# Altium PCB HRADC_Board_v2_0.PcbDoc (part 4 of 4)
Units mm, origin at the board's own origin, x right, y up, seen from the top; angles counter-clockwise.
Board outline 160 x 100 mm, 4 copper layers (Top Layer, Power Plane, Ground Planes, Bottom Layer); 306 components, 238 nets, 1267 pads, 372 vias.
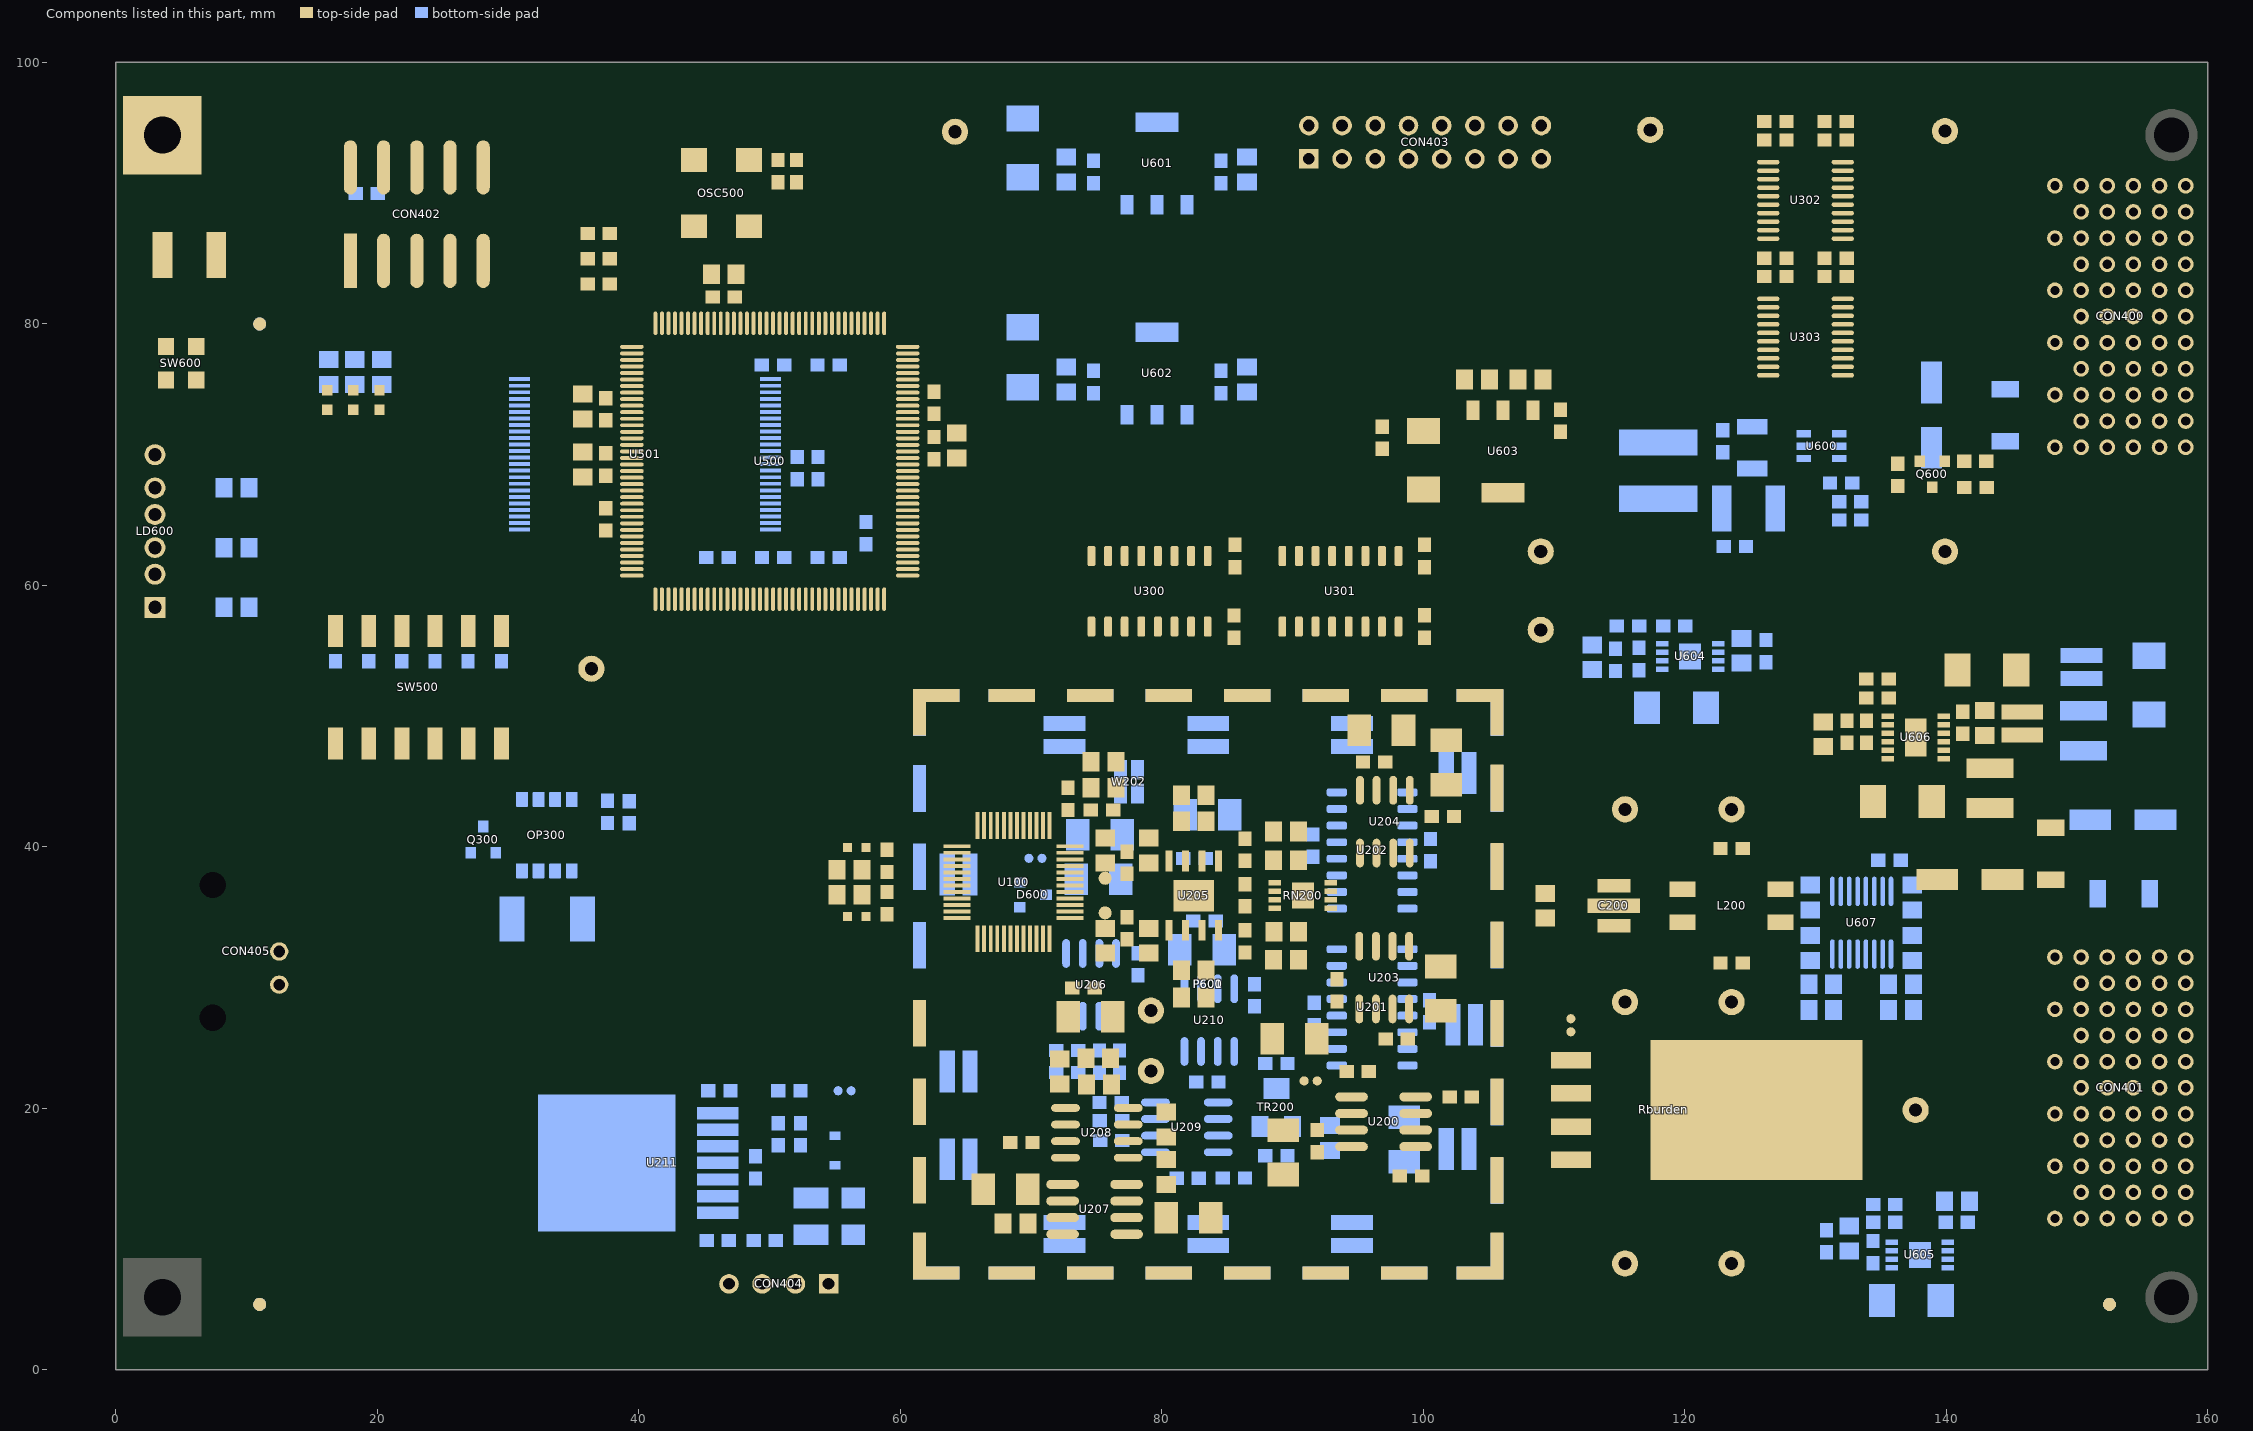
[diagram p6: the components of this part, seen from the top]

## Silkscreen, mask and mechanical layers (free items; w line width, h text height)
Top Overlay:
  drawing of 99 lines, arcs and shapes, not listed
  text "DGND" at 98.475,97.05 h1
  text "CNVST" at 91.8,86.075 h1 r90
  text "SPI_IN" at 104.525,85.408 h1 r90
  text "BUSY_IN" at 99.375,84.242 h1 r90
  text "SPI_OUT" at 107.05,84.242 h1 r90
  text "SPI_CLK" at 109.55,84.242 h1 r90
  text "DSYCH_IN" at 94.275,83.2 h1 r90
  text "BUSY_OUT" at 102,83.076 h1 r90
  text "DSYCH_OUT" at 96.85,82.076 h1 r90
  text "MODE" at 21.17,72.55 h2.03
  text "GND" at 23.211,71.3 h0.76
  text "Vin" at 23.274,69.9 h0.76
  text "Iin" at 23.338,68.475 h0.76
  text "Config" at 22.195,67.15 h0.76
  text "Memory" at 22.068,65.775 h0.76
  text "+Vref" at 22.576,64.35 h0.76
  text "-Vref" at 22.576,62.925 h0.76
  text "Temp" at 22.83,61.525 h0.76
  text "DI5" at 17.319,43.04 h1 r90
  text "DI4" at 19.859,43.04 h1 r90
  text "DI3" at 22.399,43.04 h1 r90
  text "DI2" at 24.939,43.04 h1 r90
  text "DI1" at 27.479,43.04 h1 r90
  text "DI0" at 30.019,43.04 h1 r90
  text "AGND" at 111.625,27.815 h0.8 r90
  text "INA141" at 99.5,11.54 h0.8
  text "INA106" at 94.275,11.515 h0.8
  text "ELP - Eletronica de Potência" at 17.935,10.016 h1.5
  text "R202/R203" at 86.425,9.985 h0.8
  text "W200" at 88.2,8.565 h0.8
  text "AGND" at 48.675,8.529 h1
  text "Step In / Error" at 47.25,8.512 h1 r90
  text "Temp Meas" at 54.9,8.512 h1 r90
  text "HRADC - Placa de Conversão A/D" at 17.935,8.041 h1.5
  text "Versão 2.0 - Mar/2015" at 17.935,6.196 h1.5
  text "G.O.B" at 1.775,0.74 h1.6
Bottom Overlay:
  lines w0.1: 70.35,40.54 70.35,43.465
  lines w0.254: 71.298,21.625 74.2,21.625 74.475,21.9 ; 111.95,52.26 113.425,52.26 113.55,52.26 114.001,52.711 ; 115.593,52.713 115.593,53.135 115.793,53.335 ; 135.1,10.525 136.825,10.525 137.2,10.9
  text "DGND" at 70,43.465 h0.8 r90
  text "AGND" at 71.475,43.465 h0.8 r90
Mechanical 1:
  the board outline again, w0.254
Board Outline:
  the board outline again, w0.254

## Text inside footprints (layer, text, board x,y; h text height)
CON402: Top Overlay "2" at 10.225,91.225 h1.52; Top Overlay "1" at 10.7,83.975 h1.52
CON403: Top Overlay "1" at 89.342,92.26 h0.8
LD500: Top Overlay "D0" at 19.17,75.825 h1.2
LD501: Top Overlay "D1" at 17.17,75.825 h1.2
LD502: Top Overlay "D2" at 15.27,75.825 h1.2
SW600: Top Overlay "1" at 0.9,79.275 h0.7 r270; Top Overlay "2" at 0.9,75.175 h0.7 r270